# Altium PCB danqu.PcbDoc
Units mm, origin at the board's own origin, x right, y up, seen from the top; angles counter-clockwise.
Board outline 42.55 x 24.13 mm, 2 copper layers (Top Layer, Bottom Layer); 26 components, 22 nets, 122 pads, 32 vias.
Unrouted connection lines stored in the file: 2.
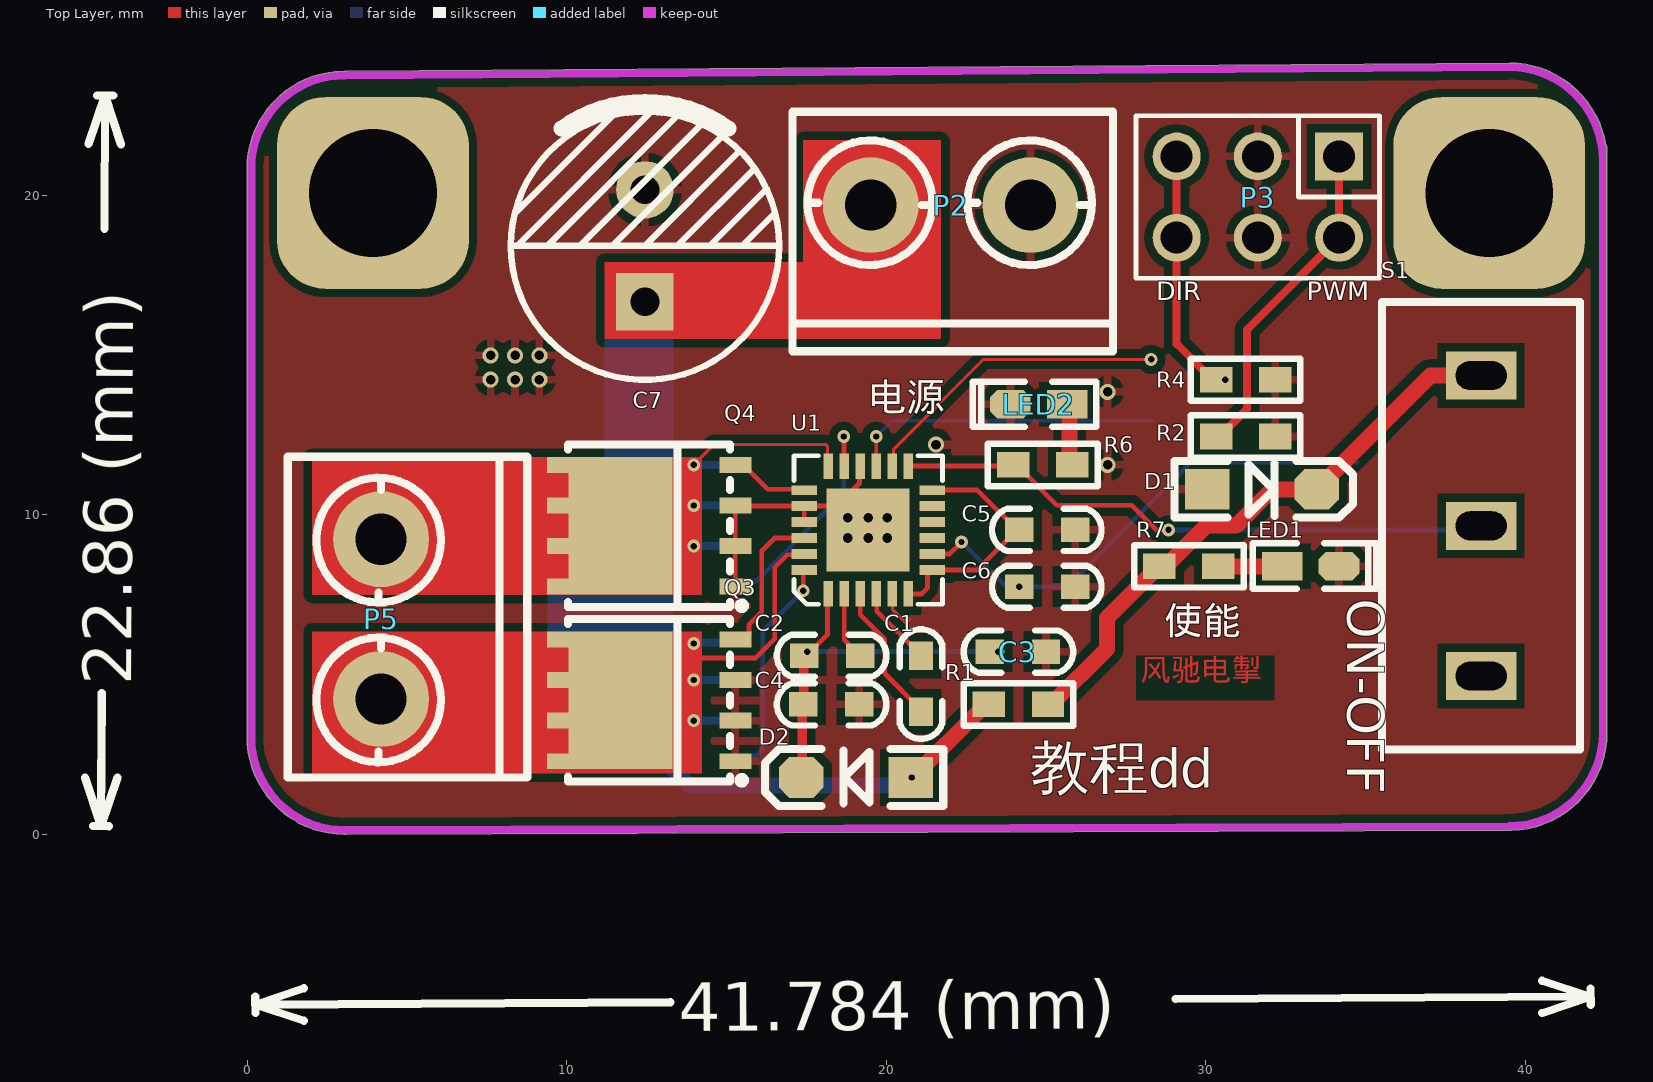
[diagram p0: Top Layer view]
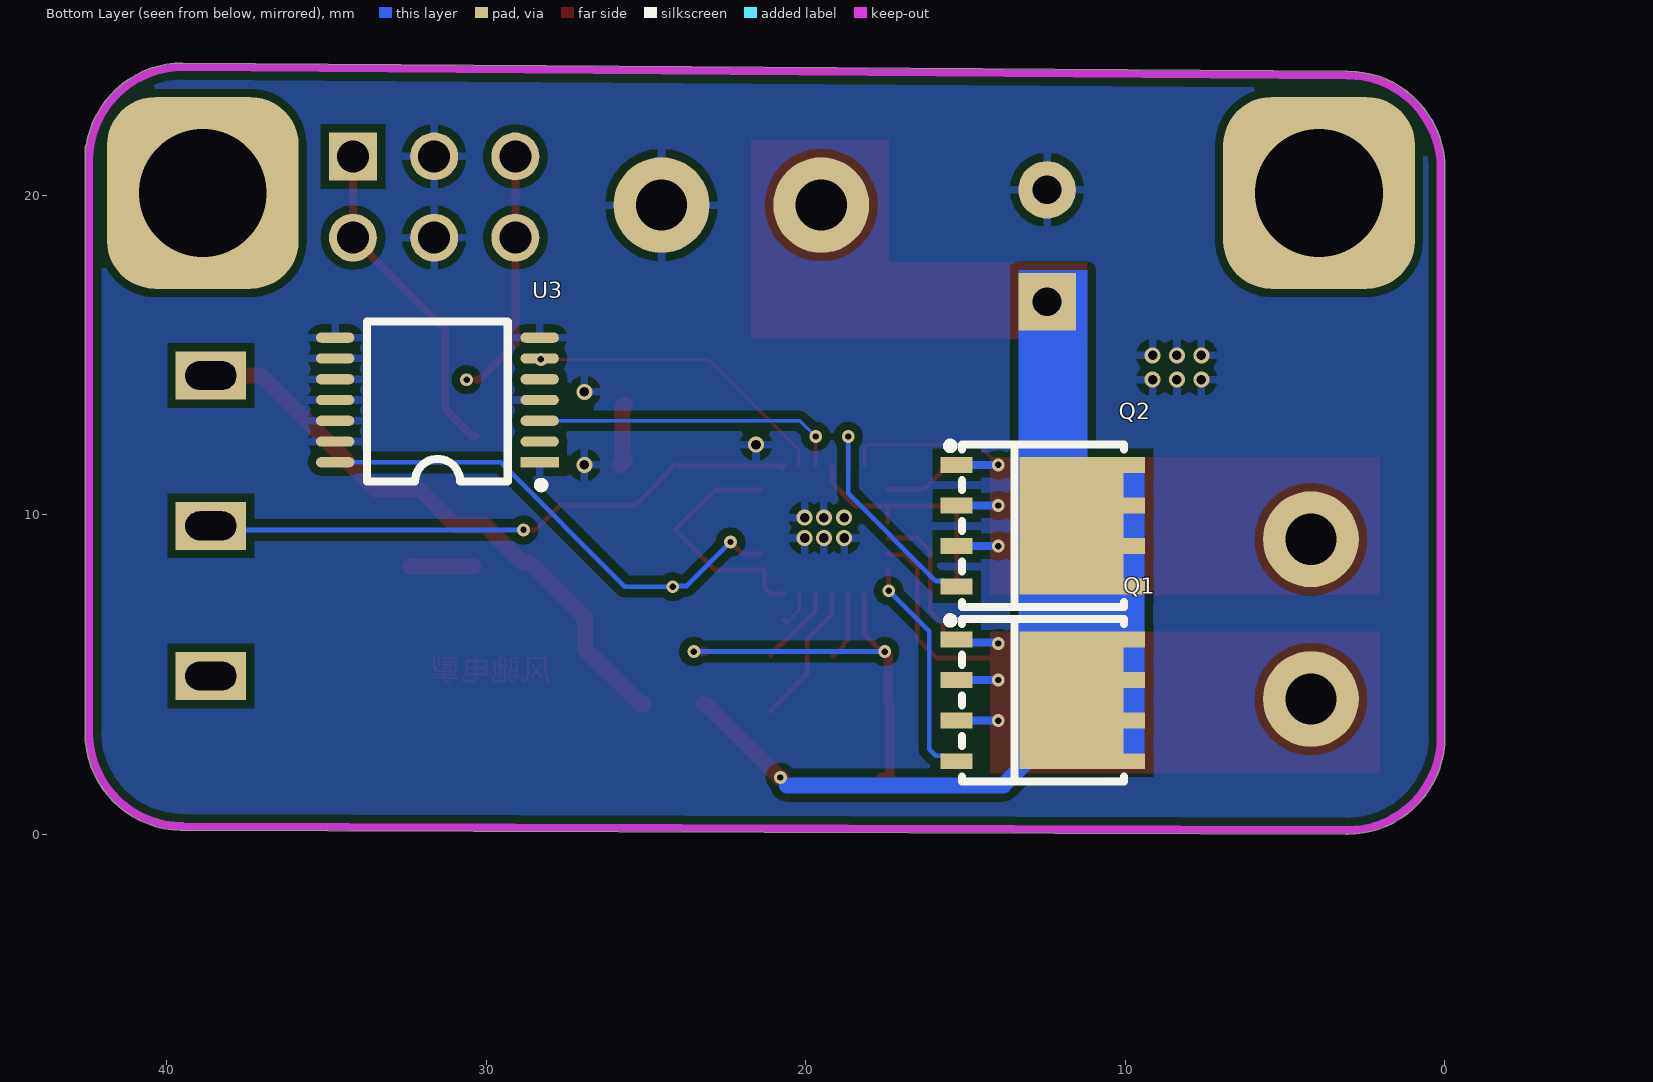
[diagram p1: Bottom Layer view, seen from below]
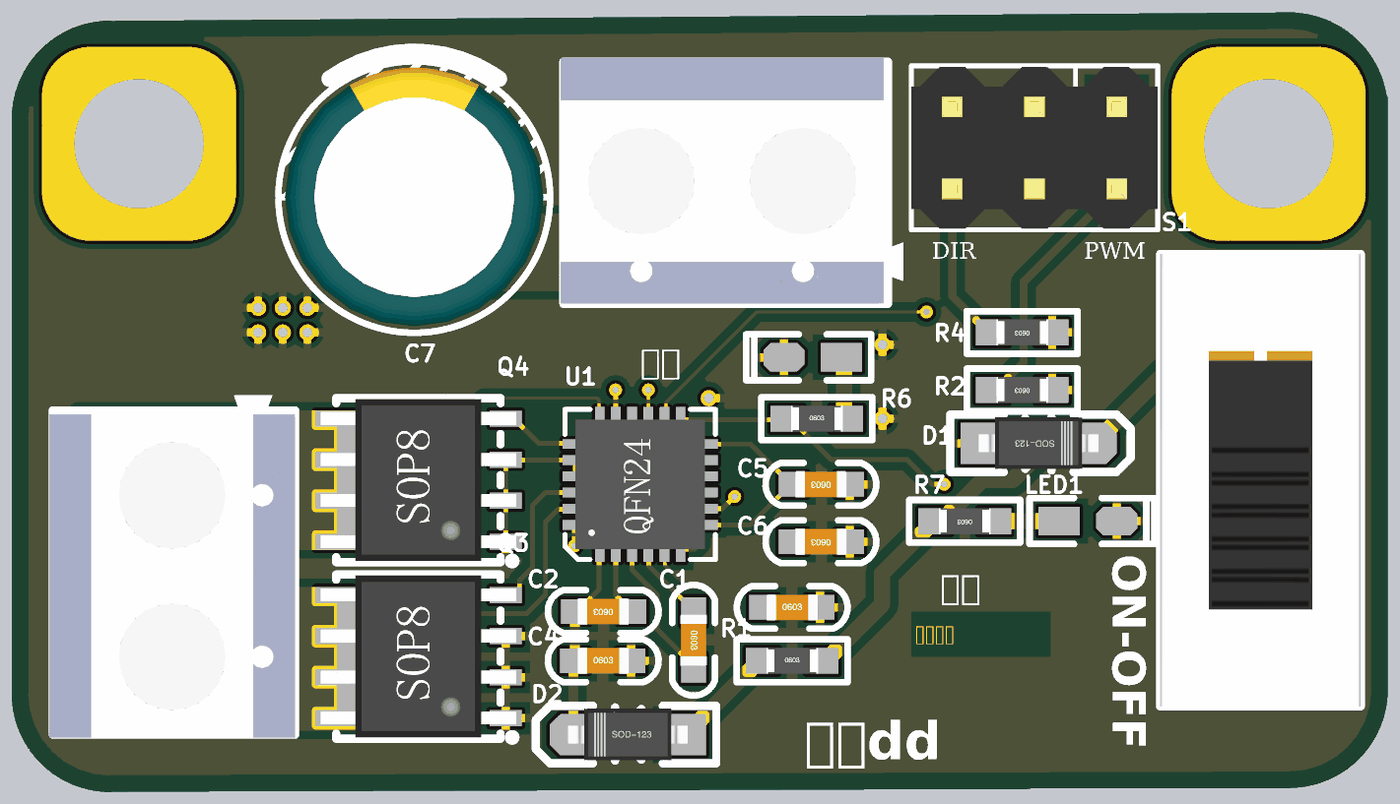
[diagram p2: 3D render of the assembled board from above, using the file's embedded part models]
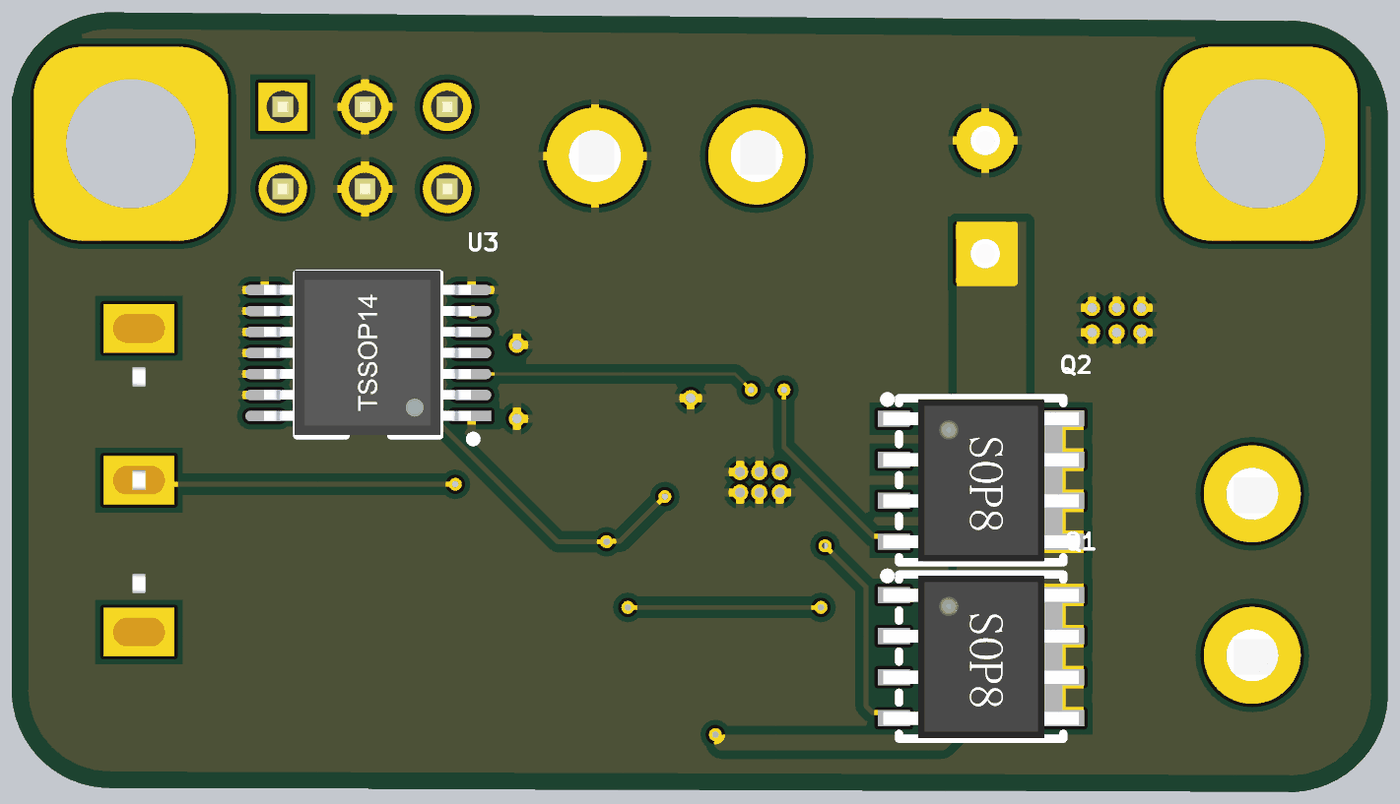
[diagram p3: 3D render of the assembled board from below, using the file's embedded part models]

## Layer stack, top to bottom
Top Solder: solder mask 0.0102, Solder Resist, Dk 3.5
Top Layer: signal copper 0.0356
Dielectric 1: dielectric 0.32, FR-4, Dk 4.8
Bottom Layer: signal copper 0.0356
Bottom Solder: solder mask 0.0102, Solder Resist, Dk 3.5

## Board outline
0,3.048 0,20.828 cw(c3.048,20.828) 3.048,23.876 cw(c3.048,23.749) 3.095,23.868 39.496,24.13 cw(c39.497,24.003) 39.497,24.13 cw(c39.497,21.082) 42.509,21.552 cw(c42.418,21.463) 42.545,21.463 42.545,3.175 cw(c39.497,3.175) 39.542,0.127 cw(c39.497,0.246) 39.497,0.119 3.096,0.009 cw(c3.048,0.127) 3.048,0 cw(c3.048,3.048)

## Design rules (kind name [scope] priority, off if disabled: settings)
Clearance [All] p1: gap=0.254 ignorepadtopadclearanceinfootprint=FALSE except(0: Arc-Hole Track-Hole SMDPad-Hole THPad-Hole Via-Hole Fill-Hole Poly-Hole Region-Hole Text-Hole)
PolygonConnect [All] p1: connectstyle=Relief reliefconductorwidth=0.254 reliefentries=4 polygonreliefangle="90 Angle" airgapwidth=0.254
RoutingVias [All] p1: holewidth=0.711 width=1.27 viastyle="Through Hole" minholewidth=0.711 minwidth=1.27 maxholewidth=0.711 maxwidth=1.27
SolderMaskExpansion [All] p1: expansion=0.102
Width [All] p1: maxlimit=0.5 minlimit=0.1 preferedwidth=0.254 minimp=50.000000 maximp=50.000000 favimp=50.000000
30 further rules are at their usual default settings.

## Classes and differential pairs
component class jieneng: C1 C2 C3 C4 C5 C6 C7 D1 LED1 LED2 P2 P3 P5 Q1 Q2 Q3 Q4 R1 R2 R4 R6 R7 S1 U1

## Components (designator, comment, footprint, x,y, rotation, side; value= is the part's Value field where it differs from the comment)
C1 "1uF" "C 0603" 21.082,4.699 r270 top
C2 "1uF" "C 0603" 18.288,5.588 r180 top
C3 "1uF" "C 0603" 24.13,5.715 r0 top
C4 "1uF" "C 0603" 18.288,4.064 r0 top
C5 "1uF" "C 0603" 25.019,9.525 r180 top
C6 "1uF" "C 0603" 25.019,7.747 r180 top
C7 "220UF/25V" "CAP 3.5*8*11.5 - GD" 12.446,18.415 r90 top
D1 "BZT52C3V3" SOD-123 31.75,10.795 r0 top
D2 "BZT52C3V3" SOD-123 19.05,1.778 r180 top
LED1 "LED-SMD" "LED 0603R" 33.274,8.382 r0 top
LED2 "LED-SMD" "LED 0603R" 24.765,13.462 r180 top
P2 "Header 2" 接线端子-2 22.011,19.685 r0 top
P3 "Header 3X2" 201S2X3 34.163,21.209 r180 top
P5 "Header 2" 接线端子-2 4.191,6.731 r90 top
Q1 "TPH1R403NL" TPH1R403NL 15.273,6.096 r270 bottom
Q2 "TPH1R403NL" TPH1R403NL 15.273,11.557 r270 bottom
Q3 "TPH1R403NL" TPH1R403NL 15.273,2.286 r90 top
Q4 "TPH1R403NL" TPH1R403NL 15.273,7.747 r90 top
R1 "10K" "R 0603" 24.13,4.064 r0 top
R2 "10K" "R 0603" 31.242,12.446 r180 top
R4 "10K" "R 0603" 31.242,14.224 r180 top
R6 "10K" "R 0603" 24.892,11.557 r0 top
R7 "10K" "R 0603" 29.464,8.382 r180 top
S1 "ON   OFF" 驱动开关 38.608,9.652 r90 top
U1 "DRV8701E" QFN24 19.431,9.52 r90 top
U3 "SN74HC125PWR" TSSOP14 28.321,11.639 r0 bottom

## Footprints (in the part's own frame and the unit in brackets; to place one, negate y for a bottom-side part, rotate by r counter-clockwise, add the part's x,y. Pads: shape width x height; smd on the part's side, far side on the other; paste and mask are expansions set on the pad)
201S2X3 [mm]
  rect 1.5x1.5 hole 1: 1(0,0)
  round 1.5 hole 1: 2(0,2.54) 3(2.54,0) 4(2.54,2.54) 5(5.08,0) 6(5.08,2.54)
  silkscreen extent -1.27,-1.27 6.35,3.81, body extent -1.27,-1.23 6.35,3.77, height 8.4
"C 0603" [mil]
  rect 35x30 smd: 1(-35,0) 2(34,0)
  silkscreen extent -67,-26 67,26, body extent -31,-16 31,16, height 32
"CAP 3.5*8*11.5 - GD" [mm] "脚距3.5mm直径8mm高度11.5mm"
  rect 1.8x1.8 hole 0.9: 1(-1.75,0)
  round 1.8 hole 0.9: 2(1.75,0)
  silkscreen extent -4.2,-4.2 4.5,4.2, body extent -4,-4 4.01,4, height 11.54
"LED 0603R" [mil]
  rect 50x35 smd: 1(-35,0.26)
  oct 50x35 smd: 2(35,0.26)
  silkscreen extent -71,-28 81,28, body extent -31,-16 32,16, height 24
QFN24 [mm]
  rect 2.6x2.6 smd: 0(0.005,0)
  rect 0.8x0.3 smd: 1(-2,1.25) 2(-2,0.75) 3(-2,0.25) 4(-2,-0.25) 5(-2,-0.75) 6(-2,-1.25) 13(2,-1.25) 14(2,-0.75) 15(2,-0.25) 16(2,0.25) 17(2,0.75) 18(2,1.25)
  rect 0.3x0.8 smd: 7(-1.25,-2) 8(-0.75,-2) 9(-0.25,-2) 10(0.25,-2) 11(0.75,-2) 12(1.25,-2) 19(1.25,2) 20(0.75,2) 21(0.25,2) 22(-0.25,2) 23(-0.75,2) 24(-1.25,2)
  silkscreen extent -2.32,-2.32 2.32,2.32, body extent -2,-2 2.01,2, height 0.9
"R 0603" [mil]
  rect 40x31.5 smd: 1(-36.5,0) 2(36.5,0)
  silkscreen extent -68,-26 68,26, body extent -31,-16 32,16, height 16
SOD-123 [mil]
  rect 55x50 smd: 1(-67.5,0)
  oct 55x50 smd: 2(67.5,0)
  silkscreen extent -108,-35 112,35, body extent -73,-31 73,31, height 48
TPH1R403NL [mm] "Connector; D Subminiature; 15 Position; Right Angle; Pitch 0.762 mm"
  rect 0.498x1.001 smd: D(0,5.39) D(1.27,5.39) D(2.54,5.39) D(3.81,5.39) G(3.81,0) S(0,0) S(1.27,0) S(2.54,0)
  rect 4.305x3.251 smd: D(1.905,3.589)
  silkscreen extent -0.69,-0.3 4.45,5.24, body extent -0.6,-0.32 4.42,5.72, height 1.6
TSSOP14 [mm]
  rect 1.2x0.32 smd: 1(0,0)
  oval 1.2x0.32 smd: 2(0,-0.65) 3(0,-1.3) 4(0,-1.95) 5(0,-2.6) 6(0,-3.25) 7(0,-3.9) 8(6.4,-3.9) 9(6.4,-3.25) 10(6.4,-2.6) 11(6.4,-1.95) 12(6.4,-1.3) 13(6.4,-0.65) 14(6.4,0)
  silkscreen extent -0.14,-4.4 5.4,0.81, body extent 0.03,-4.51 6.43,0.59, height 1.2
接线端子-2 [mm]
  round 3 hole 1.6: 1(-2.5,0) 2(2.5,0)
  silkscreen extent -4.95,-4.57 5.08,2.92, body extent -5.05,-4.57 5.55,3.03, height 10
驱动开关 [mm] "脚距3mm"
  rect 1.5x2.2 hole 0.9 slot 1.6 at 90 deg: 1(-4.7,0) 2(0,0) 3(4.7,0)
  silkscreen extent -7,-3.1 7,3.1, body extent -7,-3.1 7,3.1, height 9.65

## Part data
C1 C2 C3 C4 C5 C6: library part C, "无极性贴片电容"
  C1 C2 C3 C4 C5: BOM名称=无, 学习资源=www.oooc
C7: library part C-CAP, "直插电解电容", BOM名称=ֱ, 学习资源=www.oooc
D1 D2: library part 1N4007_1, "整流二极管", BOM名称=Õ, 学习资源=www.oooc
LED1 LED2: "贴片LED", BOM名称=Ì, 学习资源=www.oooc
P2 P5: "Header, 2-Pin", LatestRevisionDate=17-Jul-2002, LatestRevisionNote="Re-released for DXP Platform.", Publisher="Altium Limited"
P3: "Header, 3-Pin, Dual row", LatestRevisionDate=17-Jul-2002, LatestRevisionNote="Re-released for DXP Platform.", Publisher="Altium Limited"
R1 R2 R4 R6 R7: library part R, "贴片电阻", BOM名称=Ì, 学习资源=www.oooc
S1: library part 开关
U3: Code_IPC=SOIC127P1030-20, Code_JEDEC=MS-013, ComponentLink1Description="Manufacturer Link", ComponentLink1URL=http://www.ti.com/, ComponentLink2Description=Datasheet, ComponentLink2URL=http://www-s.ti.com/sc/ds/sn74hc244.pdf, DatasheetVersion=May-1997, LatestRevisionDate=13-Apr-2006, LatestRevisionNote="IPC-7351 Footprint Added.", PackageDescription="20-Pin Plastic Small Outline Integrated Circuit 1.27 mm Pitch", PackageReference=DW020, PackageVersion=Mar-2000, Published=8-Jun-2000, Publisher="Altium Limited"

## Free pads (board coordinates)
  rrect50% 6x6 hole 4: 2(3.937,20.066) 2(38.862,20.066)

## Via types
v1: diameter 0.4, hole 0.2, Top Layer to Bottom Layer, 17 vias
v2: diameter 0.5, hole 0.3, Top Layer to Bottom Layer, 15 vias

## Nets (pads, with @x,y where several pads share a name; then routed paths per layer and width w, separated by ;. In a path a pad name is that pad's centre, name@x,y a point inside that pad or via, vN(x,y) a via of type N, cw(c..) or ccw(c..) an arc to the next point about the centre after c; other vN are vias at no path point)
3V3: D1.2 R1.2 R7.2 S1.3 | length 18.4
  Top Layer w0.5: R1.2 25.165,4.064 26.905,5.804 26.905,6.769 28.645,8.509 28.753,8.509 28.861,8.509 30.008,9.656 30.943,9.656 32.082,10.795 D1.2 37.022,14.352 S1.3
DVDD: C6.2 U1.8 U3.14 | length 15.6
  Top Layer w0.15: U1.8 21.978,8.77 v1(22.352,9.144)
  Bottom Layer w0.15: v1(22.352,9.144) 23.73,7.766 24.137,7.766 v1(24.155,7.747) 25.654,7.747 29.546,11.639 U3.14
GND: C3.2 C4.2 C5.1 C6.1 C7.2 D1.1 LED1.2 LED2.2 P2.2 P3.3 P3.4 Q3.S Q4.S R2.1 R4.1 U1.0 U1.5 U1.16 U1.20 U1.21 U3.1 U3.4 U3.7 U3.8 U3.9 U3.10 U3.11 U3.12 U3.13 | length 9
  Top Layer w0.1: U1.5 20.193,7.508 20.193,7.029 20.227,6.995 ; 20.227,6.994 20.578,6.644 20.614,6.644
  Top Layer w0.15: Q4.S@15.273,7.747 15.273,9.017 15.273,10.287 15.289,10.27 U1.20 ; U1.21 U1.20 ; U1.16 19.16,11.499 19.16,10.984 18.446,10.27 U1.20 ; 20.614,6.644 20.701,6.731
  other v2: 18.796,9.271 19.431,9.271 20.028,9.271 18.796,9.906 19.431,9.906 20.028,9.906 26.924,11.557 21.552,12.192 26.924,13.843 7.62,14.224 8.382,14.224 9.144,14.224 7.62,14.986 8.382,14.986 9.144,14.986
"L A": P5.1 Q1.S Q3.D U1.23 | length 10.7
  Top Layer w0.15: v1(13.97,4.826) 13.97,5.339 14.149,5.518 15.909,5.518 16.506,6.115 16.506,8.361 16.895,8.749 17.41,8.749 U1.23
  Bottom Layer w0.254: v1(13.97,3.556) Q1.S@15.273,3.556 ; v1(13.97,4.826) Q1.S@15.273,4.826 ; v1(13.97,5.969) 13.998,5.997 15.174,5.997 Q1.S@15.273,6.096
"L B": P5.2 Q2.S Q4.D U1.18 | length 9
  Top Layer w0.1: v1(13.97,11.557) 14.605,12.192 18.102,12.192 18.161,12.133 18.161,11.54 U1.18
  Bottom Layer w0.254: v1(13.97,9.017) Q2.S@15.273,9.017 ; v1(13.97,10.287) Q2.S@15.273,10.287 ; v1(13.97,11.557) Q2.S@15.273,11.557
L_EN: U1.14 U3.6 | length 9.8
  Top Layer w0.1: U1.14 20.227,11.566 20.227,12.046 23.04,14.859 v1@28.321,14.859
  other v1: 28.283,14.859
L_EN_IN: P3.5 P3.6 R4.2 U3.5 | length 7.6
  Top Layer w0.25: P3.5 P3.6 29.083,15.348 30.207,14.224 R4.2
  other v1: 30.607,14.224
L_PH: U1.15 U3.3 | length 9.8
  Top Layer w0.1: U1.15 19.685,11.525 v1(19.685,12.446)
  Bottom Layer w0.1: v1(19.685,12.446) 20.178,12.939 U3.3
L_PH_IN: P3.1 P3.2 R2.2 U3.2 | length 10.4
  Top Layer w0.25: R2.2 30.423,12.446 31.282,13.305 31.282,15.788 P3.2 P3.1
NetC1_1: C1.1 U1.4 | length 2.5
  Top Layer w0.15: U1.4 19.702,7.499 19.702,6.983 20.728,5.957 20.776,5.957 21.082,5.651 C1.1
NetC1_2: C1.2 U1.3 | length 4.5
  Top Layer w0.15: U1.3 19.181,6.875 19.951,6.105 19.951,5.03 21.082,3.899 C1.2
NetC2_1: C2.1 U1.2 | length 2.2
  Top Layer w0.15: U1.2 18.681,6.084 18.808,5.957 18.808,5.894 19.113,5.588 C2.1
NetC2_2: C2.2 C3.1 C4.1 D2.2 U1.1 | length 12.5
  Top Layer w0.15: C2.2 17.488,5.588 18.161,6.261 18.161,7.501 U1.1
  Top Layer w0.3: C2.2 17.412,5.575 17.412,4.077 C4.1 17.367,4.032 17.367,1.81 D2.2 D2.2@17.626,1.778 ; C3.1@23.177,5.715 C3.1
  Bottom Layer w0.15: v1(17.526,5.715) v1(23.495,5.715)
NetC5_2: C5.2 U1.6 U1.7 U1.12 | length 7.8
  Top Layer w0.15: U1.6 21.109,7.52 21.284,7.695 21.284,8.27 U1.7 22.837,8.27 24.092,9.525 22.847,10.77 U1.12
NetLED1_1: LED1.1 R7.1 | length 2
  Top Layer w0.5: R7.1 30.394,8.385 32.382,8.385 LED1.1
NetLED2_1: LED2.1 R6.2 | length 2.2
  Top Layer w0.5: R6.2@25.654,11.707 25.804,11.557 R6.2 25.736,11.64 25.736,13.373 LED2.1
NetQ1_G: Q1.G U1.24 | length 7.2
  Top Layer w0.15: v1(17.399,7.62) 17.399,8.239 U1.24
  Bottom Layer w0.15: Q1.G 15.524,2.286 15.698,2.46 15.922,2.46 16.129,2.667 16.129,6.35 v1(17.399,7.62)
NetQ2_G: Q2.G U1.17 | length 7.3
  Top Layer w0.15: v1(18.669,12.446) 18.675,12.44 18.675,11.526 U1.17
  Bottom Layer w0.15: Q2.G 15.524,7.747 15.698,7.921 15.922,7.921 18.669,10.668 v1(18.669,12.446)
NetQ3_G: Q3.G U1.22 | length 4.8
  Top Layer w0.15: Q3.G 15.524,6.096 15.698,6.27 15.698,6.554 16.102,6.958 16.102,8.863 16.509,9.27 U1.22
NetQ4_G: Q4.G U1.19 | length 2.5
  Top Layer w0.15: Q4.G 15.524,11.557 16.286,10.795 17.406,10.795 U1.19
SLEEP: R6.1 S1.2 U1.13 | length 19
  Top Layer w0.15: U1.13@20.756,11.43 20.681,11.505 U1.13 R6.1@23.965,11.52 ; R6.1 24.073,11.557 25.334,10.296 27.677,10.296 28.448,9.525 v1(28.829,9.525)
  Bottom Layer w0.15: v1(28.829,9.525) S1.2@38.735,9.525
VM: C7.1 D2.1 P2.1 Q1.D Q2.D R1.1 | length 13.7
  Top Layer w0.5: D2.1 v1(20.79,1.778) 20.828,1.778 22.945,3.895 22.945,3.914 23.095,4.064 R1.1
  Bottom Layer w0.5: Q1.D@11.684,4.191 11.684,3.664 13.815,1.533 20.583,1.533
pads on no net: S1.1 U1.9 U1.10 U1.11

## Polygon pours and split planes (outlines as drawn)
GND on Bottom Layer "GND_L02_P000" (solid, remove dead copper, pour order 0): -1.143,25.146 44.069,25.146 44.069,-2.032 -1.27,-2.032 -1.27,25.019
GND on Top Layer "GND_L01_P006" (solid, remove dead copper, pour order 6): -1.143,25.146 44.323,25.146 44.323,-1.905 44.45,-2.032 43.307,-3.175 -1.143,-3.175

## Keep-outs
Keep-Out Layer:
  lines w0.254: 3.048,0.127 cw(c3.048,3.048) 0.127,3.048 0.127,20.828 cw(c3.048,20.828) 3.048,23.749 ; 3.048,0.136 39.497,0.246 ; 3.048,23.74 39.497,24.003 cw(c39.497,21.082) 42.418,21.082 ; 39.497,0.254 ccw(c39.497,3.175) 42.418,3.175 42.418,21.463

## Other copper
Top Layer:
  rectangle net VM: 11.176,15.494 21.717,17.907
  rectangle net VM: 17.399,15.748 21.717,21.717
  rectangle net "L A": 2.032,1.905 14.224,6.35
  rectangle net "L B": 2.032,7.493 14.224,11.811
  region: 13.335,6.35
  text "风驰电掣" at 27.94,4.572 h1.2
Bottom Layer:
  rectangle net VM: 11.176,10.668 13.335,17.653
  rectangle net VM: 9.398,2.159 13.335,11.811

## Silkscreen, mask and mechanical layers (free items; w line width, h text height)
Top Overlay:
  lines w0.254: -5.072,1.781 -4.572,0.254 ; -4.961,21.593 -4.445,23.114 ; -4.826,0.255 -4.318,0.253 ; -4.699,23.115 -4.191,23.113 ; -4.549,4.422 -4.572,0.254 ; -4.468,18.946 -4.445,23.114 ; -4.056,1.775 -4.572,0.254 ; -3.945,21.587 -4.445,23.114 ; 0.252,-5.08 0.256,-5.588 ; 1.775,-4.817 0.254,-5.334 ; 1.781,-5.833 0.254,-5.334 ; 13.249,-5.255 0.254,-5.334 ; 29.042,-5.159 42.037,-5.08 ; 40.51,-4.581 42.037,-5.08 ; 40.516,-5.597 42.037,-5.08 ; 42.035,-4.826 42.039,-5.334
  text "DIR" at 28.448,16.51 h1
  text "PWM" at 33.147,16.51 h1
  text "电源" at 19.431,12.954 h1.5
  text "ON-OFF" at 34.036,7.366 h2 r270
  text "使能" at 28.702,5.969 h1.5
  text "22.86 (mm)" at -3.633,4.671 h1.52 r89.68
  text "教程dd" at 24.511,1.016 h2.3
  text "41.784 (mm)" at 13.508,-6.168 h1.52 r0.35
Top Solder:
  text "风驰电掣" at 27.94,4.572 h1.2